# KiCad board final-cu.kicad_pcb (continued)
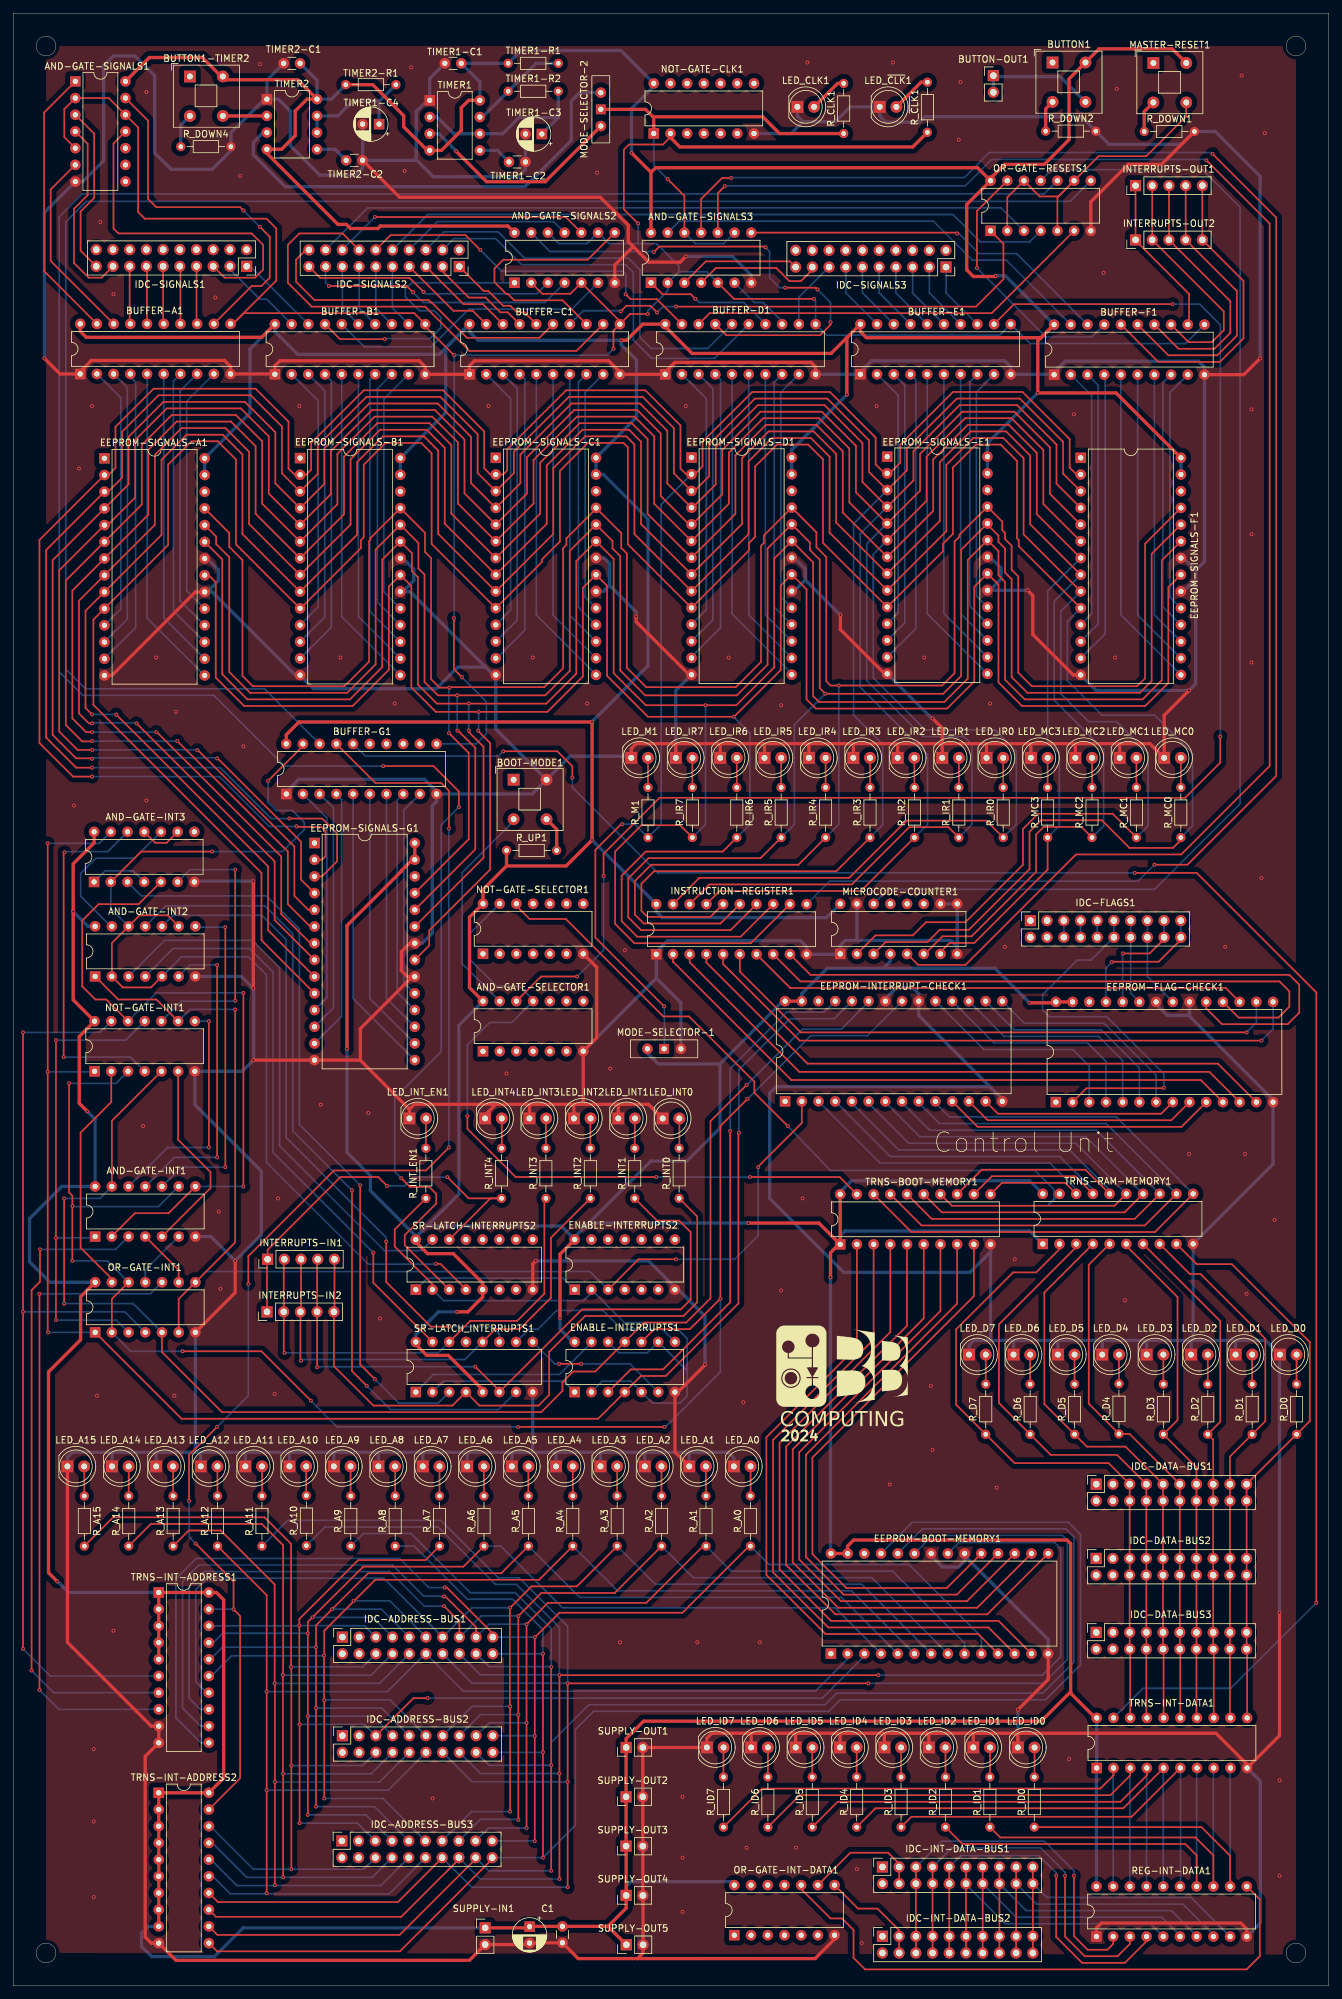
[diagram p0: board, top side]
## Routing (per net, layer and track width the routed paths; a pad name or vN(x,y) marks a point on that pad's centre or on a via; arc(x,y) is an arc through that point) (continued)
~{INT_3``}: length 30.2
  Top w0.25: NOT-GATE-INT1.6 25.08,128.68 30,123.75 30,121.33 AND-GATE-INT1.5
~{INT_3``}_AND_(~{INT_1``}_OR_INT_2``): length 9.1
  Top w0.25: OR-GATE-INT1.9 25.16,108.87 AND-GATE-INT1.4
~{INT_4``}: length 36
  Top w0.25: v1(29.75,127.5) v1(29.75,146.7)
  Bottom w0.25: v1(29.75,146.7) NOT-GATE-INT1.8 ; v1(29.75,127.5) 23.47,127.5 AND-GATE-INT1.12
~{INT_ADDRESS_OUT}: length 208.5
  Top w0.25: v1(27.75,67.25) 33.5,61.5 v1(33.5,57.25) 34.5,56.25 34.5,31.57 TRNS-INT-ADDRESS2.19 ; v1(66.25,176) 66.25,181.74 65.06,182.93 55.08,182.93 BUFFER-G1.17 ; v1(26.74,73.76) 26.74,80.74 v1(31,85) ; v1(66.25,127.5) 62.75,124 48.78,124 35.75,110.97 v1(35.75,106.75)
  Bottom w0.25: v1(31,85) 35.75,89.75 v1(35.75,106.75) ; v1(66.25,127.5) v1(66.25,176) ; TRNS-INT-ADDRESS1.19 33.47,57.28 v1(33.5,57.25) ; v1(27.75,67.25) 26.75,68.25 26.75,73.75 v1(26.74,73.76)
~{INT_DATA_OUT}: length 295.5
  Top w0.25: v1(170.5,169.25) 179.91,169.25 198.09,151.07 v1(198.09,58.25) ; v1(74.5,187.75) 82.72,187.75 85,185.47 v1(85,183.75)
  Bottom w0.25: v1(198.09,58.25) 185.09,45.25 171.76,45.25 TRNS-INT-DATA1.19 ; v1(74.5,187.75) 73.75,187 53.54,187 BUFFER-G1.16 ; v1(85,183.75) 85,182.25 98,169.25 v1(170.5,169.25)
~{MEM_IN}: length 10.7
  Bottom w0.25: IDC-SIGNALS3.13 126.57,257.46 BUFFER-E1.19
~{MEM_OUT}: length 10.6
  Bottom w0.25: BUFFER-D1.12 119.44,256.8 IDC-SIGNALS3.15
~{PC_LOAD}: length 49.4
  Top w0.25: IDC-SIGNALS2.20 44.5,264 43,262.5 43,259.16 45.79,256.38 63.12,256.38 63.5,256 63.62,256 68.99,250.63 80,250.63 BUFFER-C1.15
~{PC_OUT}: length 72.3
  Top w0.25: BUFFER-C1.12 85.62,248.63 69.37,248.63 62.62,255.38 45.38,255.38 41.75,259 41.75,264.75 43.5,266.5 50.08,266.5 IDC-SIGNALS2.14
~{REG_F_OUT}: length 13.3
  Bottom w0.25: IDC-SIGNALS1.3 32.95,261.05 37.5,256.5 38.53,256.5 BUFFER-B1.19
~{REG_MAR_USE_BTTNS}: length 10.7
  Bottom w0.25: BUFFER-E1.15 136.73,257.46 IDC-SIGNALS3.5
~{REG_MBR_USE_BTTNS}: length 10.7
  Bottom w0.25: IDC-SIGNALS3.3 139.27,257.46 BUFFER-E1.14
~{REG_MBR_USE_BUS}: length 10.7
  Bottom w0.25: BUFFER-E1.13 141.81,257.46 IDC-SIGNALS3.1
~{REG_TMP_PASS_ADDRESS}: length 9.8
  Bottom w0.25: IDC-SIGNALS2.11 55.12,255.15 BUFFER-B1.13
~{REG_TMPH_OUT}: length 9.8
  Bottom w0.25: IDC-SIGNALS2.15 50.04,255.15 BUFFER-B1.15
~{REG_TMPH_PASS_DATA}: length 9.8
  Bottom w0.25: BUFFER-B1.12 57.66,255.15 IDC-SIGNALS2.9
~{REG_TMPL_OUT}: length 9.8
  Bottom w0.25: BUFFER-B1.14 52.58,255.15 IDC-SIGNALS2.13
~{REG_TMPL_PASS_DATA}: length 15.3
  Top w0.25: BUFFER-C1.19 69.86,254.75 66.91,254.75 IDC-SIGNALS2.7
~{STC_LOAD}: length 54.9
  Top w0.25: v1(93.11,257.25) 93.86,256.5 97.86,256.5 BUFFER-D1.19 ; IDC-SIGNALS2.12 57.37,266.25 68.75,266.25 v1(71,264)
  Bottom w0.25: v1(71,264) 74.25,260.75 92.67,260.75 93.12,260.3 93.12,257.26 v1(93.11,257.25)
~{STC_OUT}: length 63
  Bottom w0.25: BUFFER-D1.15 106.62,247.5 97.08,247.5 94.28,250.29 94.28,260.55 93.09,261.75 77.3,261.75 73.32,265.73 67,265.73 IDC-SIGNALS2.4
~{ZERO_PAGE}: length 10.7
  Bottom w0.25: IDC-SIGNALS3.9 131.65,257.46 BUFFER-E1.17
Net-(AND-GATE-INT3-A): length 9
  Bottom w0.25: AND-GATE-INT3.4 18.24,169.56 13.98,169.56 AND-GATE-INT3.1
Net-(AND-GATE-INT3-F): length 6.5
  Top w0.25: AND-GATE-INT3.11 21.59,173.82 23.33,173.82 AND-GATE-INT3.9
Net-(AND-GATE-SELECTOR1-H): length 33
  Bottom w0.25: AND-GATE-SELECTOR1.13 68.25,155.46 68.25,169.3 76.12,177.17
Net-(AND-GATE-SELECTOR1-M=G.H): length 111.5
  Top w0.25: v1(97.75,123) 76.39,123 69.05,130.34 v1(69.05,132.25) ; v1(112,123) 125.65,123 TRNS-BOOT-MEMORY1.19
  Bottom w0.25: NOT-GATE-SELECTOR1.13 69.5,160.11 69.5,156 73.5,152 77,152 79.04,149.96 AND-GATE-SELECTOR1.11 75.79,146.5 72.44,146.5 69.05,143.11 v1(69.05,132.25) ; v1(112,123) v1(97.75,123)
Net-(BOOT-MODE1-A): length 5.4
  Top w0.5: BOOT-MODE1.4 82.62,175.88 R_UP1.2
Net-(BUFFER-A1-1D): length 40.8
  Bottom w0.25: BUFFER-A1.2 16.37,241.5 16.37,209.39 EEPROM-SIGNALS-A1.11
Net-(BUFFER-A1-2D): length 43.1
  Bottom w0.25: 17.37,207.85 17.37,243.03 BUFFER-A1.3 ; 17.37,207.85 17.36,207.84 ; 17.37,207.85 17.36,207.84 ; 17.36,207.84 EEPROM-SIGNALS-A1.12
Net-(BUFFER-A1-3D): length 45.6
  Bottom w0.25: EEPROM-SIGNALS-A1.13 18.62,206.56 18.62,243.88 17.81,244.69 BUFFER-A1.4
Net-(BUFFER-A1-4D): length 49.5
  Bottom w0.25: EEPROM-SIGNALS-A1.15 29.1,199.28 20.35,208.03 BUFFER-A1.5
Net-(BUFFER-A1-5D): length 45.9
  Bottom w0.25: EEPROM-SIGNALS-A1.16 22.89,208.05 BUFFER-A1.6
Net-(BUFFER-A1-6D): length 43.2
  Bottom w0.25: BUFFER-A1.7 24.37,244.06 24.37,209.11 EEPROM-SIGNALS-A1.17
Net-(BUFFER-A1-7D): length 40.9
  Bottom w0.25: EEPROM-SIGNALS-A1.18 25.37,210.65 25.37,242.53 BUFFER-A1.8
Net-(BUFFER-A1-8D): length 38.5
  Bottom w0.25: EEPROM-SIGNALS-A1.19 26.37,212.19 26.37,240.99 BUFFER-A1.9
Net-(BUFFER-B1-1D): length 41
  Bottom w0.25: BUFFER-B1.2 46.37,241.04 46.37,209.69 EEPROM-SIGNALS-B1.11
Net-(BUFFER-B1-2D): length 43.3
  Bottom w0.25: EEPROM-SIGNALS-B1.12 47.37,208.15 47.37,242.58 BUFFER-B1.3
Net-(BUFFER-B1-3D): length 45.6
  Bottom w0.25: EEPROM-SIGNALS-B1.13 48.37,206.61 48.37,244.12 BUFFER-B1.4
Net-(BUFFER-B1-4D): length 49.5
  Bottom w0.25: BUFFER-B1.5 49.95,208.23 EEPROM-SIGNALS-B1.15
Net-(BUFFER-B1-5D): length 45.9
  Bottom w0.25: BUFFER-B1.6 52.49,208.23 EEPROM-SIGNALS-B1.16
Net-(BUFFER-B1-6D): length 42.9
  Bottom w0.25: EEPROM-SIGNALS-B1.17 54.23,209.03 54.23,244.28 BUFFER-B1.7
Net-(BUFFER-B1-7D): length 40.5
  Bottom w0.25: BUFFER-B1.8 55.37,242.88 55.37,210.9 55.36,210.89 55.37,210.88 55.37,210.43 EEPROM-SIGNALS-B1.18
Net-(BUFFER-B1-8D): length 38.2
  Bottom w0.25: EEPROM-SIGNALS-B1.19 56.37,211.97 56.37,241.34 BUFFER-B1.9
Net-(BUFFER-C1-1D): length 40.6
  Bottom w0.25: BUFFER-C1.2 75.62,241.37 75.62,209.23 EEPROM-SIGNALS-C1.11
Net-(BUFFER-C1-2D): length 42.9
  Bottom w0.25: EEPROM-SIGNALS-C1.12 76.62,207.69 76.62,242.91 BUFFER-C1.3
Net-(BUFFER-C1-3D): length 45.4
  Bottom w0.25: EEPROM-SIGNALS-C1.13 73.51,201.9 77.79,206.18 77.79,244.28 BUFFER-C1.4
Net-(BUFFER-C1-4D): length 48.9
  Bottom w0.25: BUFFER-C1.5 79.53,208.47 88.23,199.77
Net-(BUFFER-C1-5D): length 45.9
  Bottom w0.25: BUFFER-C1.6 82.07,208.44 EEPROM-SIGNALS-C1.16
Net-(BUFFER-C1-6D): length 42.3
  Bottom w0.25: BUFFER-C1.7 84.61,208.44 EEPROM-SIGNALS-C1.17
Net-(BUFFER-C1-7D): length 39.7
  Bottom w0.25: EEPROM-SIGNALS-C1.18 85.93,209.66 85.93,243.87 BUFFER-C1.8
Net-(BUFFER-C1-8D): length 37.4
  Bottom w0.25: EEPROM-SIGNALS-C1.19 86.93,211.19 86.93,242.32 BUFFER-C1.9
Net-(BUFFER-D1-1D): length 40.5
  Bottom w0.25: BUFFER-D1.2 105.37,241.37 105.37,209.27 EEPROM-SIGNALS-D1.11
Net-(BUFFER-D1-2D): length 42.8
  Bottom w0.25: EEPROM-SIGNALS-D1.12 106.37,207.73 106.37,242.91 BUFFER-D1.3
Net-(BUFFER-D1-3D): length 45.3
  Bottom w0.25: BUFFER-D1.4 107.54,244.28 107.54,206.53 103.12,202.11 EEPROM-SIGNALS-D1.13
Net-(BUFFER-D1-4D): length 49.4
  Bottom w0.25: EEPROM-SIGNALS-D1.15 118.36,199.57 109.28,208.65 BUFFER-D1.5
Net-(BUFFER-D1-5D): length 45.8
  Bottom w0.25: BUFFER-D1.6 111.82,208.48 EEPROM-SIGNALS-D1.16
Net-(BUFFER-D1-6D): length 42.3
  Bottom w0.25: BUFFER-D1.7 114.36,208.48 EEPROM-SIGNALS-D1.17
Net-(BUFFER-D1-7D): length 39.7
  Bottom w0.25: EEPROM-SIGNALS-D1.18 115.68,209.7 115.68,243.86 BUFFER-D1.8
Net-(BUFFER-D1-8D): length 37.4
  Bottom w0.25: BUFFER-D1.9 116.68,242.32 116.68,211.24 EEPROM-SIGNALS-D1.19
Net-(BUFFER-E1-1D): length 40
  Bottom w0.25: BUFFER-E1.2 134.54,241.87 134.54,208.82 EEPROM-SIGNALS-E1.11
Net-(BUFFER-E1-2D): length 42.3
  Bottom w0.25: EEPROM-SIGNALS-E1.12 135.54,207.28 135.54,243.41 BUFFER-E1.3
Net-(BUFFER-E1-3D): length 45.1
  Bottom w0.25: BUFFER-E1.4 137.21,244.28 137.21,206.41 EEPROM-SIGNALS-E1.13
Net-(BUFFER-E1-4D): length 49.3
  Bottom w0.25: EEPROM-SIGNALS-E1.15 138.95,208.69 BUFFER-E1.5
Net-(BUFFER-E1-5D): length 45.8
  Bottom w0.25: EEPROM-SIGNALS-E1.16 141.49,208.69 BUFFER-E1.6
Net-(BUFFER-E1-6D): length 42.2
  Bottom w0.25: BUFFER-E1.7 144.03,208.69 EEPROM-SIGNALS-E1.17
Net-(BUFFER-E1-7D): length 39.5
  Bottom w0.25: BUFFER-E1.8 145.43,243.94 145.43,209.82 EEPROM-SIGNALS-E1.18
Net-(BUFFER-E1-8D): length 37.2
  Bottom w0.25: EEPROM-SIGNALS-E1.19 146.43,211.37 146.43,242.41 BUFFER-E1.9
Net-(BUFFER-F1-1D): length 40
  Bottom w0.25: EEPROM-SIGNALS-F1.11 163.95,208.66 163.95,241.84 BUFFER-F1.2
Net-(BUFFER-F1-2D): length 42.4
  Bottom w0.25: EEPROM-SIGNALS-F1.12 164.95,207.12 164.95,243.38 BUFFER-F1.3
Net-(BUFFER-F1-3D): length 44.7
  Bottom w0.25: BUFFER-F1.4 166,244.88 166,205.62 EEPROM-SIGNALS-F1.13
Net-(BUFFER-F1-4D): length 49.4
  Bottom w0.25: BUFFER-F1.5 168.4,208.48 EEPROM-SIGNALS-F1.15
Net-(BUFFER-F1-5D): length 45.8
  Bottom w0.25: BUFFER-F1.6 170.94,208.48 EEPROM-SIGNALS-F1.16
Net-(BUFFER-F1-6D): length 42.3
  Bottom w0.25: EEPROM-SIGNALS-F1.17 173.48,208.48 BUFFER-F1.7
Net-(BUFFER-F1-7D): length 39.7
  Bottom w0.25: BUFFER-F1.8 174.78,243.78 174.78,209.72 EEPROM-SIGNALS-F1.18
Net-(BUFFER-F1-8D): length 37.3
  Bottom w0.25: BUFFER-F1.9 175.84,242.31 175.84,211.19 EEPROM-SIGNALS-F1.19
Net-(BUFFER-G1-1D): length 35.1
  Bottom w0.25: EEPROM-SIGNALS-G1.11 47.69,150.28 47.69,177.62 BUFFER-G1.2
Net-(BUFFER-G1-2D): length 37.4
  Bottom w0.25: EEPROM-SIGNALS-G1.12 48.69,148.74 48.69,179.15 BUFFER-G1.3
Net-(BUFFER-G1-3D): length 40
  Bottom w0.25: EEPROM-SIGNALS-G1.13 49.93,147.44 49.93,180.45 BUFFER-G1.4
Net-(BUFFER-G1-4D): length 44.4
  Bottom w0.25: BUFFER-G1.5 51.67,150.16 EEPROM-SIGNALS-G1.15
Net-(BUFFER-G1-5D): length 40.8
  Bottom w0.25: EEPROM-SIGNALS-G1.16 54.21,150.16 BUFFER-G1.6
Net-(BUFFER-G1-6D): length 37.2
  Bottom w0.25: EEPROM-SIGNALS-G1.17 56.75,150.16 BUFFER-G1.7
Net-(BUFFER-G1-7D): length 34.3
  Bottom w0.25: BUFFER-G1.8 58.38,180.34 58.38,151.07 EEPROM-SIGNALS-G1.18
Net-(BUFFER-G1-8D): length 32
  Bottom w0.25: EEPROM-SIGNALS-G1.19 59.38,152.62 59.38,178.79 BUFFER-G1.9
Net-(BUTTON1-K): length 4.9
  Top w0.5: BUTTON1.3 156.96,285.45 R_DOWN2.1
Net-(BUTTON1-TIMER2-A): length 6.7
  Top w0.5: BUTTON1-TIMER2.4 38.56,284.37 TIMER2.2
Net-(BUTTON1-TIMER2-K): length 5.2
  Bottom w0.5: R_DOWN4.1 25.48,282.98 BUTTON1-TIMER2.3
Net-(BUTTON-OUT1-Pin_1): length 18.2
  Bottom w0.5: BUTTON1.4 159.15,290.35 149.15,290.35 BUTTON-OUT1.1 BUTTON-OUT1.2
Net-(EEPROM-BOOT-MEMORY1-I/O0): length 96.1
  Top w0.25: TRNS-BOOT-MEMORY1.2 128.26,97.19 114.5,83.43 114.5,62.5 123.5,53.5 146.72,53.5 EEPROM-BOOT-MEMORY1.11
Net-(EEPROM-BOOT-MEMORY1-I/O1): length 98.1
  Top w0.25: TRNS-BOOT-MEMORY1.3 130.8,98.3 115.5,83 115.5,62.91 123.91,54.5 148.26,54.5 EEPROM-BOOT-MEMORY1.12
Net-(EEPROM-BOOT-MEMORY1-I/O2): length 100
  Top w0.25: TRNS-BOOT-MEMORY1.4 133.34,99.43 116.5,82.59 116.5,63.33 124.33,55.5 149.8,55.5 EEPROM-BOOT-MEMORY1.13
Net-(EEPROM-BOOT-MEMORY1-I/O3): length 103.1
  Top w0.25: TRNS-BOOT-MEMORY1.5 135.88,100.38 117.5,82 117.5,64 125,56.5 148.08,56.5 EEPROM-BOOT-MEMORY1.15
Net-(EEPROM-BOOT-MEMORY1-I/O4): length 99.2
  Top w0.25: TRNS-BOOT-MEMORY1.6 138.42,101.51 118.5,81.59 118.5,64.41 125.41,57.5 146.54,57.5 EEPROM-BOOT-MEMORY1.16
Net-(EEPROM-BOOT-MEMORY1-I/O5): length 95.2
  Top w0.25: EEPROM-BOOT-MEMORY1.17 145,58.5 125.83,58.5 119.5,64.83 119.5,81.17 140.96,102.63 TRNS-BOOT-MEMORY1.7
Net-(EEPROM-BOOT-MEMORY1-I/O6): length 91.2
  Top w0.25: EEPROM-BOOT-MEMORY1.18 143.46,59.5 126.24,59.5 120.5,65.24 120.5,80.76 143.5,103.76 TRNS-BOOT-MEMORY1.8
Net-(EEPROM-BOOT-MEMORY1-I/O7): length 87.3
  Top w0.25: TRNS-BOOT-MEMORY1.9 146.04,104.88 121.5,80.34 121.5,65.66 126.66,60.5 141.92,60.5 EEPROM-BOOT-MEMORY1.19
Net-(EEPROM-FLAG-CHECK1-A0): length 41.8
  Top w0.25: EEPROM-FLAG-CHECK1.10 177.6,130.63 146.62,130.63 EEPROM-INTERRUPT-CHECK1.11
Net-(EEPROM-FLAG-CHECK1-A1): length 35.9
  Top w0.25: EEPROM-INTERRUPT-CHECK1.12 148.16,131.63 176.06,131.63 EEPROM-FLAG-CHECK1.9
Net-(EEPROM-FLAG-CHECK1-A2): length 30
  Top w0.25: EEPROM-FLAG-CHECK1.8 174.52,132.63 149.69,132.63 EEPROM-INTERRUPT-CHECK1.13
Net-(EEPROM-FLAG-CHECK1-A3): length 32.1
  Bottom w0.25: EEPROM-INTERRUPT-CHECK1.15 153.72,146.38 165.83,146.38 173.74,138.47 EEPROM-FLAG-CHECK1.7
Net-(EEPROM-FLAG-CHECK1-A4): length 32.8
  Bottom w0.25: EEPROM-INTERRUPT-CHECK1.16 152.19,145.38 165.42,145.38 171.2,139.6 EEPROM-FLAG-CHECK1.6
Net-(EEPROM-FLAG-CHECK1-A5): length 33.4
  Bottom w0.25: EEPROM-INTERRUPT-CHECK1.17 150.65,144.38 165,144.38 168.66,140.73 EEPROM-FLAG-CHECK1.5
Net-(EEPROM-FLAG-CHECK1-A6): length 33.4
  Bottom w0.25: EEPROM-INTERRUPT-CHECK1.18 149.1,143.38 163.33,143.38 166.12,140.59 EEPROM-FLAG-CHECK1.4
Net-(EEPROM-FLAG-CHECK1-A7): length 33
  Bottom w0.25: EEPROM-INTERRUPT-CHECK1.19 147.56,142.38 161.08,142.38 163.58,139.88 EEPROM-FLAG-CHECK1.3
Net-(EEPROM-FLAG-CHECK1-I/O0): length 93.6
  Top w0.25: EEPROM-FLAG-CHECK1.11 180.54,137.75 118.3,137.75 100.3,155.75 INSTRUCTION-REGISTER1.2
Net-(EEPROM-FLAG-CHECK1-I/O1): length 93.6
  Top w0.25: INSTRUCTION-REGISTER1.3 102.84,155.66 119.5,139 181.84,139 EEPROM-FLAG-CHECK1.12
Net-(EEPROM-FLAG-CHECK1-I/O2): length 93.7
  Top w0.25: INSTRUCTION-REGISTER1.4 105.38,155.62 120.75,140.25 183.12,140.25 EEPROM-FLAG-CHECK1.13
Net-(EEPROM-FLAG-CHECK1-I/O3): length 94.8
  Top w0.25: INSTRUCTION-REGISTER1.5 107.92,155.39 119.56,143.75 v1(189.75,143.75)
  Bottom w0.25: v1(189.75,143.75) 191.52,145.52 EEPROM-FLAG-CHECK1.15
Net-(EEPROM-FLAG-CHECK1-I/O4): length 88.7
  Top w0.25: INSTRUCTION-REGISTER1.6 110.46,154.26 119.72,145 v1(187.5,145)
  Bottom w0.25: v1(187.5,145) 188.98,146.48 EEPROM-FLAG-CHECK1.16
Net-(EEPROM-FLAG-CHECK1-I/O5): length 76.4
  Top w0.25: INSTRUCTION-REGISTER1.7 118.13,151.75 184.32,151.75 EEPROM-FLAG-CHECK1.17
Net-(EEPROM-FLAG-CHECK1-I/O6): length 94.9
  Top w0.25: INSTRUCTION-REGISTER1.8 119.67,152.75 192.5,152.75 194,151.25 194,148.91 192.34,147.25 186.28,147.25 EEPROM-FLAG-CHECK1.18
Net-(EEPROM-FLAG-CHECK1-I/O7): length 100.4
  Top w0.25: INSTRUCTION-REGISTER1.9 121.21,153.75 194,153.75 195.5,152.25 195.5,148 193.75,146.25 183.75,146.25 181.36,148.64 EEPROM-FLAG-CHECK1.19
Net-(EEPROM-INTERRUPT-CHECK1-A0): length 98.5
  Top w0.25: TRNS-RAM-MEMORY1.11 173.56,114.63 136.55,114.63 TRNS-BOOT-MEMORY1.18
  Bottom w0.25: EEPROM-INTERRUPT-CHECK1.10 140.2,134.26 142.33,132.13 167.69,132.13 TRNS-RAM-MEMORY1.11
Net-(EEPROM-INTERRUPT-CHECK1-A1): length 92.6
  Top w0.25: TRNS-BOOT-MEMORY1.17 138.09,115.63 172.03,115.63 176.84,120.44
  Bottom w0.25: EEPROM-INTERRUPT-CHECK1.9 137.66,134.28 140.81,131.13 166.15,131.13 176.84,120.44
Net-(EEPROM-INTERRUPT-CHECK1-A2): length 86.7
  Top w0.25: TRNS-RAM-MEMORY1.13 170.49,116.63 139.63,116.63 TRNS-BOOT-MEMORY1.16
  Bottom w0.25: TRNS-RAM-MEMORY1.13 164.6,130.13 139.29,130.13 135.12,134.3 EEPROM-INTERRUPT-CHECK1.8
Net-(EEPROM-INTERRUPT-CHECK1-A3): length 80.7
  Top w0.25: TRNS-RAM-MEMORY1.14 168.94,117.63 141.17,117.63 TRNS-BOOT-MEMORY1.15
  Bottom w0.25: TRNS-RAM-MEMORY1.14 163.06,129.13 137.83,129.13 132.58,134.38 EEPROM-INTERRUPT-CHECK1.7
Net-(EEPROM-INTERRUPT-CHECK1-A4): length 74.9
  Top w0.25: TRNS-BOOT-MEMORY1.14 142.71,118.63 167.41,118.63 169.22,120.44
  Bottom w0.25: EEPROM-INTERRUPT-CHECK1.6 130.04,134.22 136.12,128.13 161.53,128.13 169.22,120.44
Net-(EEPROM-INTERRUPT-CHECK1-A5): length 71.8
  Top w0.25: 166.68,120.44 163,124.12 147.24,124.12 TRNS-BOOT-MEMORY1.13
  Bottom w0.25: EEPROM-INTERRUPT-CHECK1.5 127.5,134.24 134.6,127.13 160.58,127.13 166.68,121.04 166.68,120.44
Net-(EEPROM-INTERRUPT-CHECK1-A6): length 65.7
  Top w0.25: TRNS-RAM-MEMORY1.17 161.46,123.12 148.78,123.12 TRNS-BOOT-MEMORY1.12
  Bottom w0.25: TRNS-RAM-MEMORY1.17 164.13,121.08 159.08,126.13 133.34,126.13 EEPROM-INTERRUPT-CHECK1.4
Net-(EEPROM-INTERRUPT-CHECK1-A7): length 59.8
  Top w0.25: TRNS-BOOT-MEMORY1.11 150.31,122.12 159.92,122.12 TRNS-RAM-MEMORY1.18
  Bottom w0.25: EEPROM-INTERRUPT-CHECK1.3 131.79,125.13 157.58,125.13 161.59,121.12 TRNS-RAM-MEMORY1.18
Net-(LED_A0-A): length 4.5
  Top w0.25: LED_A0.2 112.09,74.53 R_A0.2
Net-(LED_A1-A): length 4.5
  Top w0.25: LED_A1.2 105.31,74.51 R_A1.2
Net-(LED_A2-A): length 4.5
  Top w0.25: R_A2.2 98.56,74.51 98.56,79
Net-(LED_A3-A): length 4.5
  Top w0.25: LED_A3.2 R_A3.2
Net-(LED_A4-A): length 4.5
  Top w0.25: R_A4.2 LED_A4.2
Net-(LED_A5-A): length 4.5
  Top w0.25: R_A5.2 78.32,78.97 78.34,79
Net-(LED_A6-A): length 4.5
  Top w0.25: R_A6.2 71.56,74.51 LED_A6.2
Net-(LED_A7-A): length 4.5
  Top w0.25: LED_A7.2 64.81,74.51 R_A7.2
Net-(LED_A8-A): length 4.5
  Top w0.25: R_A8.2 58.07,78.99 LED_A8.2
Net-(LED_A9-A): length 4.5
  Top w0.25: R_A9.2 51.29,74.53 LED_A9.2
Net-(LED_A10-A): length 4.5
  Top w0.25: LED_A10.2 44.54,74.59 R_A10.2
Net-(LED_A11-A): length 4.5
  Top w0.25: R_A11.2 37.83,74.51 LED_A11.2
Net-(LED_A12-A): length 4.5
  Top w0.25: LED_A12.2 31.06,74.51 R_A12.2
Net-(LED_A13-A): length 4.5
  Top w0.25: LED_A13.2 24.32,78.97 R_A13.2
Net-(LED_A14-A): length 4.5
  Top w0.25: R_A14.2 17.57,78.99 LED_A14.2
Net-(LED_A15-A): length 4.5
  Top w0.25: R_A15.1 10.82,78.97 LED_A15.2
Net-(LED_CLK1-A): length 6
  Top w0.5: LED_CLK1.2 125.31,289.31 R_CLK1.2
Net-(LED_D0-A): length 4.5
  Top w0.25: R_D0.2 LED_D0.2
Net-(LED_D1-A): length 4.5
  Top w0.25: LED_D1.2 188.34,95.99 R_D1.2
Net-(LED_D2-A): length 4.5
  Top w0.25: R_D2.2 LED_D2.2
Net-(LED_D3-A): length 4.5
  Top w0.25: R_D3.2 LED_D3.2
Net-(LED_D4-A): length 4.4
  Top w0.25: R_D4.2 LED_D4.2
Net-(LED_D5-A): length 4.5
  Top w0.25: R_D5.2 LED_D5.2
Net-(LED_D6-A): length 4.5
  Top w0.25: R_D6.2 154.59,95.99 LED_D6.2
Net-(LED_D7-A): length 4.5
  Top w0.25: R_D7.2 LED_D7.2
Net-(LED_ID0-A): length 4.5
  Top w0.25: R_ID0.2 155.26,31.8 LED_ID0.2
Net-(LED_ID1-A): length 4.5
  Top w0.25: LED_ID1.2 148.49,31.77 R_ID1.2
Net-(LED_ID2-A): length 4.5
  Top w0.25: R_ID2.2 LED_ID2.2
Net-(LED_ID3-A): length 4.5
  Top w0.25: LED_ID3.2 R_ID3.2
Net-(LED_ID4-A): length 4.5
  Top w0.25: LED_ID4.2 R_ID4.2
Net-(LED_ID5-A): length 4.5
  Top w0.25: LED_ID5.2 121.47,36.25 R_ID5.2
Net-(LED_ID6-A): length 4.5
  Top w0.25: LED_ID6.2 R_ID6.2
Net-(LED_ID7-A): length 4.5
  Top w0.25: LED_ID7.2 107.97,36.25 R_ID7.2
Net-(LED_INT0-A): length 4.6
  Top w0.25: LED_INT0.2 101.28,127.42 R_INT0.2
Net-(LED_INT1-A): length 4.6
  Top w0.25: LED_INT1.2 94.49,131.87 R_INT1.2
Net-(LED_INT2-A): length 4.6
  Top w0.25: R_INT2.2 87.73,131.87 LED_INT2.2
Net-(LED_INT3-A): length 4.6
  Top w0.25: R_INT3.2 80.98,131.87 LED_INT3.2
Net-(LED_INT4-A): length 4.6
  Top w0.25: LED_INT4.2 74.28,127.42 R_INT4.2
Net-(LED_INT_EN1-A): length 4.6
  Top w0.25: R_INT_EN1.2 62.73,131.87 LED_INT_EN1.2
Net-(LED_IR0-A): length 4.5
  Top w0.25: LED_IR0.2 R_IR0.2
Net-(LED_IR1-A): length 4.5
  Top w0.25: LED_IR1.2 143.76,182.26 R_IR1.2
Net-(LED_IR2-A): length 4.5
  Top w0.25: LED_IR2.2 R_IR2.2
Net-(LED_IR3-A): length 4.5
  Top w0.25: LED_IR3.2 R_IR3.2
Net-(LED_IR4-A): length 4.5
  Top w0.25: LED_IR4.2 R_IR4.2
Net-(LED_IR5-A): length 4.5
  Top w0.25: R_IR5.2 LED_IR5.2
Net-(LED_IR6-A): length 4.5
  Top w0.25: R_IR6.1 110,186.74 LED_IR6.2
Net-(LED_IR7-A): length 4.5
  Top w0.25: LED_IR7.2 103.25,186.74 R_IR7.2
Net-(LED_M1-A): length 4.5
  Top w0.25: R_M1.2 LED_M1.2
Net-(LED_MC0-A): length 4.5
  Top w0.25: R_MC0.2 LED_MC0.2
Net-(LED_MC1-A): length 4.5
  Top w0.25: R_MC1.2 LED_MC1.2
Net-(LED_MC2-A): length 4.5
  Top w0.25: R_MC2.2 LED_MC2.2
Net-(LED_MC3-A): length 4.5
  Top w0.25: R_MC3.2 LED_MC3.2
Net-(LED_~{CLK}1-A): length 6.3
  Top w0.5: R_~{CLK}1.2 138.01,289.5 LED_~{CLK}1.2
Net-(MASTER-RESET1-K): length 5
  Top w0.5: R_DOWN1.1 171.94,285.03 MASTER-RESET1.3
Net-(MODE-SELECTOR-2A-A): length 32.6
  Top w0.5: MODE-SELECTOR-2.1 80.87,274.37 71.95,274.37 67.37,278.95 v1(67.37,279)
  Bottom w0.5: TIMER1.3 64.71,281.66 v1(67.37,279)
Net-(MODE-SELECTOR-2A-C): length 68.8
  Bottom w0.5: TIMER2.3 38,281.84 36.52,280.36 36.52,278.43 41.33,273.62 77.83,273.62 84.83,280.62 84.83,286.62 86.12,287.91 MODE-SELECTOR-2.3
Net-(NOT-GATE-SELECTOR1-~{6Y}): length 106
  Top w0.25: NOT-GATE-SELECTOR1.12 76.5,164.25 78.5,162.25 84,162.25 98.82,147.43 102.74,147.43 112.67,137.49 112.67,135.83 v1(117.75,130.75)
  Bottom w0.25: v1(117.75,130.75) 124.25,124 155.33,124 158.19,121.14 158.19,119.58 157.38,118.77 159.06,120.44
Net-(OR-GATE-INT-DATA1-L=E+F): length 90.1
  Top w0.25: REG-INT-DATA1.11 189.5,13.15 189.5,4.5 187.5,2.5 129.5,2.5 127.75,4.25 127.75,8.5 126,10.25 124.25,10.25 119.78,14.71 OR-GATE-INT-DATA1.10
Net-(TIMER1-CV): length 5.2
  Bottom w0.5: TIMER1-C2.1 73.62,279.12 TIMER1.5
Net-(TIMER1-DIS): length 15.4
  Bottom w0.5: TIMER1-R1.2 79.5,292.37 TIMER1-R2.1 71.33,284.2 TIMER1.7 71.02,284.12
Net-(TIMER1-THR): length 29.2
  Bottom w0.5: 82.87,284.12 TIMER1-C3.1 ; 82.87,284.12 TIMER1-R2.2 ; 82.87,284.12 76.87,284.12 74.41,281.66 TIMER1.6 66.99,281.66 64.45,284.2 TIMER1.2
Net-(TIMER2-CV): length 5.1
  Bottom w0.5: TIMER2.5 48.94,279.3 TIMER2-C2.1
Net-(TIMER2-DIS): length 20
  Bottom w0.5: 55.68,286.62 55.62,286.56 TIMER1-C4.1 ; 55.68,286.62 51.62,286.62 49.38,284.38 TIMER2.7 TIMER2.6 ; 55.68,286.62 TIMER2-R1.2

## Copper pours and planes (outline as drawn; the poured copper is in the pictures)
GND on Top: 5,295 195,295 195,4.75 5,5
GND on Bottom: 5,295 195,295 195,4.75 5,5

## Text on the board
F.Silkscreen: 2024 | Control Unit
